# Altium PCB 通用工装板.PcbDoc (part 4 of 10) (continued)
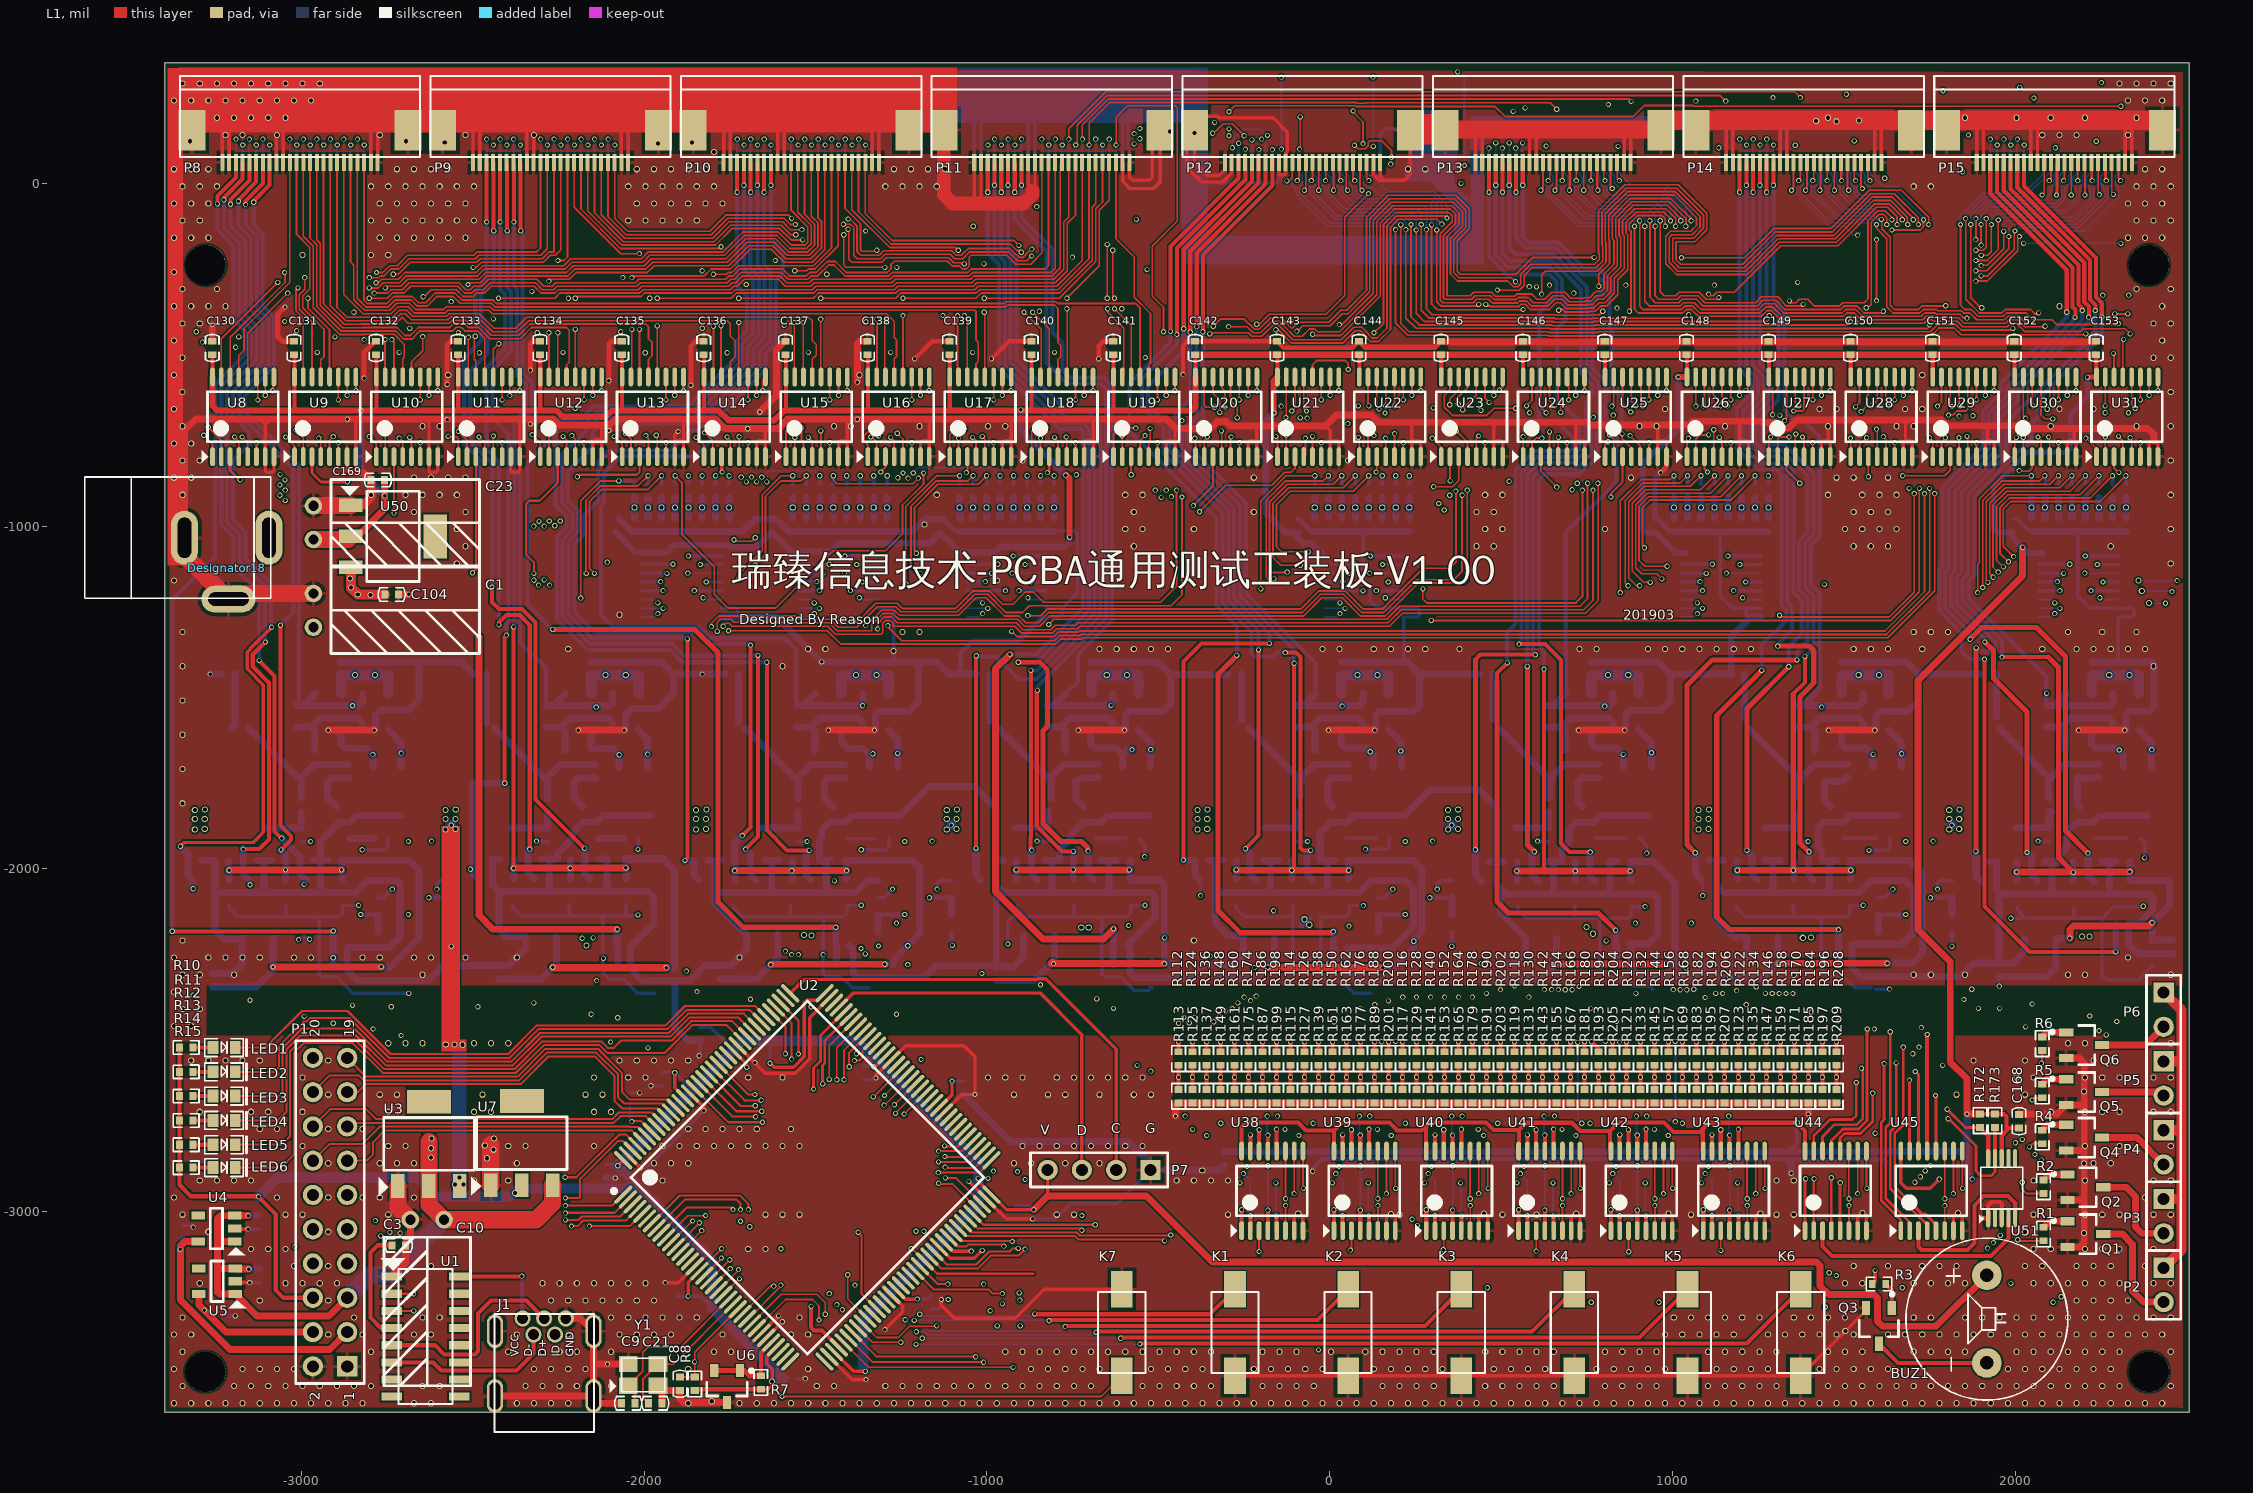
[diagram p0: L1 view]
## Nets (pads, with @x,y where several pads share a name; then routed paths per layer and width w, separated by ;. In a path a pad name is that pad's centre, name@x,y a point inside that pad or via, vN(x,y) a via of type N, cw(c..) or ccw(c..) an arc to the next point about the centre after c; other vN are vias at no path point) (continued)
  L3 w10: v1(-2108,-1105) -2108,-988 -2041,-921 -1799,-921 -1772.78,-894.78 v1(-1772.78,-842)
GPIO7: U2.58 U15.3 | length 3286.5
  L1 w6: v1(-1541,-712) -1541,-748 -1535.32,-753.68 U15.3@-1535.32,-797.27 ; v1(-1221,-3108) -1218.51,-3108 U2.58@-1181.57,-3144.94 -1145.51,-3181 -864,-3181
  L2 w6: v1(-1601,-3108) -1614,-3095 -1614,-942 -1542.81,-870.81 -1542.81,-713.81 v1(-1541,-712)
  L3 w6: v1(-1601,-3108) v1(-1221,-3108)
GPIO8: U2.59 U16.3 | length 2912.9
  L1 w6: v1(-1310,-842) -1296.37,-828.37 U16.3@-1296.37,-797.27 ; U2.59@-1167.65,-3131.02 -1132.67,-3166 -1027.44,-3166 -989.44,-3128 -908,-3128 v1(-889,-3109)
  L2 w6: v1(-1310,-842) -1305.54,-837.54 -1278.46,-837.54 -1275.5,-840.5 -1275.5,-873.65 -1130.18,-1018.97 -1130.18,-1685.18 -1152,-1707 -1152,-1905.21 -1130.18,-1927.03 -1130.18,-2747.82 -997,-2881 v1(-997,-2903) ; v1(-889,-3109) v1(-889,-2906)
  L3 w6: v1(-997,-2903) -994,-2906 v1(-889,-2906)
GPIO9: U2.60 U17.3 | length 2757.4
  L1 w6: U2.60@-1153.73,-3117.1 -1116.83,-3154 -1031,-3154 -993,-3116 -934,-3116 -925,-3107 v1(-909,-3107) ; v1@-1057.41,-842.41 U17.3@-1057.41,-797.27
  L2 w6: v1(-1060,-844) -1060,-887 -1102,-929 -1102,-1001.79 -1119.18,-1018.97 -1119.18,-1703.18 -1141,-1725 -1141,-1895.52 -1119.18,-1917.34 -1119.18,-2743.26 v1(-981,-2881.44) ; v1(-911,-2883) -910.5,-2883.5 -910.5,-3105.5 v1(-909,-3107)
  L3 w6: v1(-981,-2881.44) -912.56,-2881.44 v1(-911,-2883)
GPIO10: U2.63 U18.3 | length 2608.4
  L1 w6: U2.63@-1111.97,-3075.35 -1086.31,-3101 -1060,-3101 -1055,-3096 v1@-956,-3096 ; v1@-818.45,-840.45 U18.3@-818.45,-797.27
  L2 w6: v1(-950.5,-3100.5) -950.5,-2714.5 -790.5,-2554.5 -790.5,-1027.02 -769.98,-1006.5 -769.5,-1006.5 -749,-986 -749,-908.33 -788.65,-868.69 -788.65,-845.35 -796.46,-837.54 -817.54,-837.54 v1(-824,-844)
GPIO11: U2.64 U19.3 | length 2722.8
  L1 w6: U2.64@-1098.05,-3061.43 -1074.48,-3085 v1@-926,-3085 ; U19.3@-579.49,-797.27 -579.49,-850 v1(-579,-850)
  L2 w6: v1(-926,-3087) -926,-3085 -939.5,-3071.5 -939.5,-2719.06 -779.5,-2559.06 -779.5,-1031.58 -765.42,-1017.5 -764.94,-1017.5 -738,-990.56 -738,-851 v1(-739,-850)
  L3 w6: v1(-926,-3087) v1@-926,-3086 ; v1(-739,-850) v1(-579,-850)
GPIO12: U2.65 U20.3 | length 2975.6
  L1 w6: U2.65@-1084.13,-3047.51 -1060.64,-3071 -743.48,-3071 -733.98,-3080.5 -486.5,-3080.5 v1(-482,-3085) ; v1(-398,-940) -340.53,-882.53 U20.3@-340.53,-797.27
  L2 w6: v1(-482,-3085) -480,-3083 -480,-2763 -494,-2749 -494,-2396 -442.5,-2344.5 -442.5,-984.5 v1(-398,-940)
GPIO13: U2.66 U21.3 | length 3164.3
  L1 w5: v1(-380,-958) -303,-881 -169.69,-881 -131.73,-843.04 -113.04,-843.04 -101.57,-831.57 U21.3@-101.57,-797.27
  L1 w6: U2.66@-1070.21,-3033.59 -1043.8,-3060 -738.92,-3060 -729.42,-3069.5 -465.5,-3069.5 v1(-464,-3068)
  L2 w5: v1(-464,-3068) -469.5,-3062.5 -469.5,-2758.65 -483.5,-2744.65 -483.5,-2400.35 -431,-2347.85 -431,-2008 -412,-1989 -412,-1967.79 -432,-1947.79 -432,-1010 v1(-380,-958)
GPIO14: U2.67 U22.3 | length 3846.1
  L1 w5: v1(135,-842) 137.39,-839.61 U22.3@137.39,-797.27
  L1 w6: U2.67@-1056.29,-3019.67 -1026.96,-3049 -728,-3049 v1(-723,-3054)
  L2 w5: v1(-723,-3054) v1(-723,-3011) ; v1(135,-842) 138.96,-838.04 257.96,-838.04 282,-862.08 282,-1150.86 328.63,-1197.49 328.63,-1758 305,-1781.64 305,-1902.85 328.63,-1926.49 328.63,-2074 319.76,-2082.87 319.76,-2571.61 349.76,-2601.61 349.76,-2614.04 325.8,-2638 293,-2638 240,-2691 v1(240,-3022)
  L3 w5: v1(-723,-3011) -364.01,-3011 -348,-3027.01 234.99,-3027.01 v1(240,-3022)
GPIO15: U2.68 U23.3 | length 3740.3
  L1 w5: v1(303,-885) 358,-885 376.35,-866.65 U23.3@376.35,-797.27
  L1 w6: U2.68@-1042.37,-3005.75 -1010.12,-3038 v1(-684,-3038)
  L2 w5: v1(256,-3040) 256,-3003 251.07,-2998.07 251.07,-2699.93 302,-2649 333,-2649 359.76,-2622.24 359.76,-2562.76 355,-2558 355,-2345 338.63,-2328.64 338.63,-1922.35 315,-1898.71 315,-1785.78 338.63,-1762.14 338.63,-1193.35 303,-1157.72 v1(303,-885)
  L3 w5: v1(-684,-3038) -667,-3021 -368.15,-3021 -349.15,-3040 v1(256,-3040)
I2C_SCL: U2.56 U31.3 | length 5986.5
  L1 w6: U2.56@-1209.41,-3172.78 -1155.19,-3227 -995,-3227 -983,-3239 v1(-955,-3239) ; U31.3@2288.02,-797.27 2288.02,-831.02 2300,-843 v1(2302,-843)
  L2 w6: v1(-955,-3269) v1(-955,-3239) ; v1(2134,-3248) 2134,-1754 2296,-1592 2296,-1102 2346,-1052 2346,-911 2302,-867 v1(2302,-843)
  L3 w6: v1(-955,-3269) -939,-3285 -885.85,-3285 -870.35,-3269.5 496.63,-3269.5 518.13,-3248 v1(2134,-3248)
I2C_SDA: U2.57 U30.3 | length 5760.8
  L1 w5: v1(2011,-838) 2013,-840 2038.77,-840 2049.06,-829.7 U30.3@2049.06,-797.27
  L1 w6: U2.57@-1195.49,-3158.86 -1143.35,-3211 v1(-1114,-3211)
  L2 w5: v1(1987,-3209) 1987,-2809.21 1985,-2807.21 1985,-2456 2029,-2412 2029,-1993 2011,-1975 2011,-1073.21 2006,-1068.21 2006,-843 v1(2011,-838)
  L2 w6: v1@-1114,-3255 v1(-1114,-3211)
  L3 w5: v1(-1113,-3256) -1111,-3254 -948.79,-3254 -928.29,-3274.5 -890.2,-3274.5 -874.7,-3259 492.28,-3259 513.78,-3237.5 1958.5,-3237.5 v1(1987,-3209)
I_MA: U45.3 U51.5 | length 516.1
  L1 w12: U45.3@1717.16,-3055.47 1717.16,-3102.16 1727,-3112 1860,-3112 1880.32,-3091.68 1880.32,-2981.32 1907.64,-2954 1978.64,-2954 1999.64,-2975 U51.5@1999.64,-3019.06
I_MA_0: D9.2 U45.13 U112.1 | length 5750.8
  L1 w12: U45.13@1742.75,-2823.19 1742.75,-2483.25 v1(1743,-2483)
  L2 w8: v1(-2709,-2486) v1(-2709.02,-1662)
  L3 w8: 1575.5,-2492 1734,-2492 v1(1743,-2483)
  L3 w12: v1(-2709,-2486) -2705,-2482 -459.2,-2482 -455.7,-2485.5 -396.3,-2485.5 -394.8,-2484 1558.84,-2484 1566.84,-2492 1575.5,-2492
  L4 w20: U112.1@-2746.43,-1594.84 -2709.02,-1632.24 v1(-2709.02,-1662) D9.2@-2709.02,-1703.11
I_MA_1: D10.2 U45.14 U113.1 | length 4946.1
  L1 w8: v1(1708,-2591) 1717.16,-2600.16 U45.14@1717.16,-2823.19
  L2 w8: v1(-1990,-1665) -1990,-2521 v1(-1989,-2522)
  L3 w8: v1(-1989,-2522) -503,-2522 -433.68,-2591.32 -397,-2591.32 -396.68,-2591 1521,-2591 1529,-2599 1700,-2599 v1(1708,-2591)
  L4 w20: U113.1@-2016.95,-1594.84 -1990.39,-1621.41 v1@-1990.39,-1665 ; D10.2@-1990.39,-1703.71 v1@-1990.39,-1665 ; v1(-1990,-1665) v1@-1990.39,-1665
I_MA_2: D11.2 U45.15 U114.1 | length 4202.9
  L1 w8: v1(1691,-2616) 1691.57,-2616.57 U45.15@1691.57,-2823.19
  L2 w8: v1(-1260.39,-1663) -1214.5,-1708.89 -1214.5,-2533.5 v1(-1192,-2556)
  L3 w8: v1(-1192,-2556) -514.28,-2556 -491.33,-2578.95 -491.33,-2623.9 -475.23,-2640 1566,-2640 1590,-2616 v1(1691,-2616)
  L4 w20: U114.1@-1287.48,-1594.84 -1260.39,-1621.94 v1(-1260.39,-1663) D11.2@-1260.39,-1703.71
I_MA_3: D12.2 U45.12 U115.1 | length 3591.4
  L1 w8: v1(1767,-2661) 1768.34,-2662.34 U45.12@1768.34,-2823.19
  L2 w8: v1(-522.39,-1652) -522.39,-2589.61 v1(-522,-2590)
  L3 w8: v1(-522,-2590) -522,-2630 -486,-2666 1457,-2666 1482,-2691 1737,-2691 v1(1767,-2661)
  L4 w20: U115.1@-559.79,-1594.44 -522.39,-1631.84 v1(-522.39,-1652) D12.2@-522.39,-1702.71
I_MA_4: D13.2 U45.1 U116.1 | length 2970
  L1 w8: v1(1617,-2568) 1617,-2729 1618,-2730 1609,-2739 1609,-2968 1665.98,-3024.98 U45.1@1665.98,-3055.47
  L2 w8: v1(192,-2503) 192,-2358 203.82,-2346.18 203.82,-1659.18 v1(207,-1656)
  L3 w8: v1(192,-2503) 192,-2543 201,-2552 1564,-2552 1581,-2569 1616,-2569 v1(1617,-2568)
  L4 w20: U116.1@171.21,-1594.44 208.61,-1631.84 v1@208.61,-1656 ; v1(207,-1656) v1@208.61,-1656 ; D13.2@208.61,-1702.71 v1@208.61,-1656
I_MA_5: D14.2 U45.5 U117.1 | length 2452.8
  L1 w8: v1(1673,-2520) 1673,-2747 1648,-2772 1648,-2927 1726.91,-3005.91 1736.33,-3005.91 1768.34,-3037.92 U45.5@1768.34,-3055.47
  L2 w8: v1(845.55,-2505.09) 845,-2504.54 845,-2500.69 941.5,-2404.19 941.5,-1663.89 v1(938.61,-1661)
  L3 w8: v1(845.55,-2505.09) 845.55,-2511.55 860,-2526 1564,-2526 1570,-2520 v1(1673,-2520)
  L4 w20: U117.1@901.21,-1594.44 938.61,-1631.84 v1(938.61,-1661) D14.2@938.61,-1702.71
I_MA_6: D15.2 U45.2 U118.1 | length 1563.5
  L1 w8: v1(1635,-2475) 1635,-2741 1622,-2754 1622,-2961 1691.57,-3030.57 U45.2@1691.57,-3055.47
  L2 w8: v1(1635,-2475) 1635,-2469 1663.89,-2440.11 1663.89,-1668.11 v1(1668,-1664)
  L4 w20: U118.1@1630.21,-1594.44 1667.61,-1631.84 v1@1667.61,-1664 ; D15.2@1667.61,-1702.71 v1@1667.61,-1664 ; v1(1668,-1664) v1@1667.61,-1664
I_MA_7: D16.2 U45.4 U119.1 | length 2200.9
  L1 w8: v1(1652,-2566) 1652.31,-2566.31 1652.31,-2749.31 1635,-2766.62 1635,-2932.38 1721.53,-3018.91 1723.74,-3018.91 1742.75,-3037.92 U45.4@1742.75,-3055.47
  L2 w8: v1(2265,-2484) 2265,-2047 2398,-1914 v1(2398,-1652)
  L3 w8: v1(1652,-2566) 1667,-2566 1671.5,-2561.5 1708.5,-2561.5 1741,-2529 2024.38,-2529 2063.38,-2490 2259,-2490 v1(2265,-2484)
  L4 w20: U119.1@2360.21,-1594.44 2397.61,-1631.84 v1@2397.61,-1652 ; D16.2@2397.61,-1702.71 v1@2397.61,-1652 ; v1(2398,-1652) v1@2397.61,-1652
I_UA: U44.3 U51.4 | length 679.9
  L1 w12: U44.3@1437.63,-3055.47 1437.63,-3101.63 1465,-3129 1929,-3129 1979.95,-3078.05 U51.4@1979.95,-3019.06
I_UA_0: D1.2 U44.13 U104.1 | length 5771.3
  L1 w8: U44.13@1463.22,-2823.19 1463.22,-2792.39 1496.62,-2759 1543,-2759 1567.5,-2734.5 1567.5,-2467.5 v1(1568,-2467)
  L2 w8: v1@-2791.7,-2466.3 v1(-2791.7,-1666.3)
  L2 w12: v1@-2791.7,-2466.3 v1(-2791,-2467)
  L3 w8: v1(-2791,-2467) -450.16,-2467
  L3 w12: -450.16,-2467 -448.66,-2468.5 -433.34,-2468.5 -431.84,-2467 -418.16,-2467 -417.66,-2467.5 -402.34,-2467.5 -401.84,-2467 v1(1568,-2467)
  L4 w20: U104.1@-2884.22,-1594.84 -2884.22,-1635.78 -2872,-1648 -2810,-1648 v1(-2791.7,-1666.3) D1.2@-2791.7,-1703.11
I_UA_1: D2.2 U44.14 U105.1 | length 5038.4
  L1 w8: U44.14@1437.63,-2823.19 1437.63,-2781.37 1473,-2746 1537.62,-2746 1554.5,-2729.12 1554.5,-2584 1552,-2581.5 v1(1551,-2581.5)
  L2 w8: v1(-2098,-2505) -2098,-1691.83 v1(-2073.06,-1666.9)
  L3 w8: v1(-2098,-2505) -501.62,-2505 -428.29,-2578.32 -402.38,-2578.32 -402.06,-2578 1547.5,-2578 v1(1551,-2581.5)
  L4 w20: U105.1@-2154.75,-1594.84 -2154.75,-1647.21 -2153.36,-1648.6 -2091.36,-1648.6 v1(-2073.06,-1666.9) D2.2@-2073.06,-1703.71
I_UA_2: D3.2 U44.15 U106.1 | length 4349.4
  L1 w8: U44.15@1412.04,-2823.19 1412.04,-2777.96 1459,-2731 1524,-2731 1536,-2719 v1(1536,-2623)
  L2 w8: v1(-1381,-2539) -1379,-2541 -1369,-2541 -1333,-2505 v1(-1333,-1664)
  L3 w8: v1(-1381,-2539) -512.9,-2539 -478.33,-2573.56 -478.33,-2607 -458.33,-2627 1532,-2627 v1(1536,-2623)
  L4 w20: U106.1@-1425.28,-1594.84 -1425.28,-1629.32 -1406,-1648.6 -1361.36,-1648.6 -1343.06,-1666.9 ; D3.2@-1343.06,-1703.71 -1343.06,-1666.9 ; v1(-1333,-1664) -1335.9,-1666.9 -1343.06,-1666.9
I_UA_3: D4.2 U44.12 U107.1 | length 3585.6
  L1 w8: U44.12@1488.81,-2823.19 1488.81,-2785.19 1502,-2772 1548.38,-2772 1584,-2736.38 v1(1584,-2654)
  L2 w8: v1(-577,-1652) -577,-1976 -562,-1991 v1(-562,-2573)
  L3 w8: v1(-562,-2573) -515.67,-2573 -504.33,-2584.33 -504.33,-2629.28 -480.62,-2653 1583,-2653 v1(1584,-2654)
  L4 w20: U107.1@-697.58,-1594.44 -697.58,-1635.38 -685.36,-1647.6 -623.36,-1647.6 -605.06,-1665.9 ; D4.2@-605.06,-1702.71 -605.06,-1665.9 ; v1(-577,-1652) -591.17,-1652 -605.06,-1665.9
I_UA_4: D5.2 U44.1 U108.1 | length 3646.7
  L1 w8: U44.1@1386.45,-3055.47 1386.45,-2905.55 v1(1388,-2904)
  L2 w8: v1(118.02,-1657.98) 125,-1664.96 125,-2347 150,-2372 v1@150,-2503 ; 151,-2560 150,-2559 v1@150,-2503 ; v1(151,-2504) v1@150,-2503 ; v1(1753,-2865) 1750.5,-2862.5 1750.5,-2650 1788,-2612.5 v1(1788,-2573)
  L3 w8: v1(151,-2504) 151,-2552 164,-2565 1558,-2565 1579,-2586 1689.67,-2586 1701.17,-2574.5 1786.5,-2574.5 v1(1788,-2573) ; v1(1388,-2904) 1427.5,-2864.5 1752.5,-2864.5 v1(1753,-2865)
  L4 w20: U108.1@33.42,-1594.44 33.42,-1635.38 45.64,-1647.6 107.64,-1647.6 v1(118.02,-1657.98) 125.94,-1665.9 D5.2@125.94,-1702.71
I_UA_5: D6.2 U44.5 U109.1 | length 2721.8
  L1 w8: U44.5@1488.81,-3055.47 1488.81,-2915.19 v1(1489,-2915)
  L2 w8: v1(804,-2503) 804,-2500.33 855.94,-2448.4 v1(855.94,-1665.9) ; v1(1701,-2539) 1727.31,-2565.31 1727.31,-2597.31 1707.5,-2617.12 1707.5,-2866 1706.5,-2867 1706.5,-2913.5 v1(1707,-2914)
  L3 w8: v1(804,-2503) 804,-2528 815,-2539 v1(1701,-2539) ; v1(1489,-2915) 1706,-2915 v1(1707,-2914)
  L4 w20: U109.1@763.42,-1594.44 763.42,-1635.38 775.64,-1647.6 837.64,-1647.6 v1(855.94,-1665.9) D6.2@855.94,-1702.71
I_UA_6: D7.2 U44.2 U110.1 | length 2057.5
  L1 w8: U44.2@1412.04,-3055.47 1412.04,-2904.96 v1(1413,-2904)
  L2 w8: v1(1584.94,-1665.9) 1589.5,-1670.46 1589.5,-2467 v1(1589,-2467) ; v1(1726,-2463) 1726,-2503 1760,-2537 1760,-2602 1736.5,-2625.5 1736.5,-2880.5 v1(1737,-2881)
  L3 w8: v1(1413,-2904) 1436,-2881 v1(1737,-2881) ; v1(1589,-2467) 1599,-2457 1720,-2457 v1(1726,-2463)
  L4 w20: U110.1@1492.42,-1594.44 1492.42,-1635.38 1504.64,-1647.6 1566.64,-1647.6 v1(1584.94,-1665.9) D7.2@1584.94,-1702.71
I_UA_7: D8.2 U44.4 U111.1 | length 2401.2
  L1 w8: v1(1463,-2901) 1463.22,-2901.22 U44.4@1463.22,-3055.47
  L2 w8: v1(1719,-2520) 1744,-2545 1744,-2599 1720.5,-2622.5 1720.5,-2895.5 v1(1723,-2898) ; v1@2244,-2478 v1(2244,-2472) 2246,-2470 2246,-2040 2303,-1983 v1(2303,-1653)
  L3 w8: v1(1463,-2901) 1466.5,-2897.5 1722.5,-2897.5 v1(1723,-2898) ; v1(1719,-2520) 1723,-2516 2019,-2516 2063,-2472 v1(2244,-2472)
  L4 w20: U111.1@2222.42,-1594.44 2222.42,-1635.38 2234.64,-1647.6 2296.64,-1647.6 ; v1(2303,-1653) 2297.6,-1647.6 2296.64,-1647.6 ; D8.2@2314.94,-1702.71 2314.94,-1665.9 2296.64,-1647.6
KEY0: K1.2 U2.87 | length 1643.1
  L1 w5: v1(-1242,-2715) -1241.59,-2715 U2.87@-1181.57,-2654.98
  L1 w12: v1@-861,-3299 -348.88,-3299 K1.2@-276.61,-3226.73
  L2 w5: v1(-1242,-2715) -1242,-3253 v1(-1196,-3299)
  L4 w5: v1(-1196,-3299) -1190,-3305 -868,-3305 v1(-861,-3298)
KEY1: K2.2 U2.88 | length 2033.2
  L1 w5: v1(-1267,-2713) -1267,-2712.57 U2.88@-1195.49,-2641.06
  L1 w12: v1@-819,-3316 -35.82,-3316 K2.2@53.44,-3226.73
  L2 w5: v1(-1267,-2713) -1267,-3262 v1(-1212,-3317)
  L4 w5: v1(-1212,-3317) -818,-3317 v1(-819,-3318)
KEY2: K3.2 U2.89 | length 2423.8
  L1 w5: v1(-1270,-2688) -1270,-2687.73 U2.89@-1209.41,-2627.14
  L1 w12: v1@-772,-3333 277.23,-3333 K3.2@383.5,-3226.73
  L2 w5: v1(-1270,-2688) -1285,-2703 -1285,-3269 v1(-1239,-3315)
  L4 w5: v1(-1239,-3315) -1219,-3335 -1183,-3335 -1170,-3348 -785,-3348 v1(-772,-3335)
KEY3: K4.2 U2.90 | length 2798.1
  L1 w5: v1(-1300,-2689) -1299.1,-2689 U2.90@-1223.32,-2613.22
  L1 w12: v1@-682,-3350 590.28,-3350 K4.2@713.55,-3226.73
  L2 w5: v1(-1300,-2689) -1300,-3278 -1228,-3350 v1(-1206,-3350)
  L4 w5: v1(-1206,-3350) -1183,-3350 -1174,-3359 -689,-3359 v1(-682,-3352)
KEY4: K5.2 U2.91 | length 3166.7
  L1 w5: v1(-1299,-2661) -1298.94,-2661 U2.91@-1237.24,-2599.3
  L1 w12: v1@-610,-3367 903.33,-3367 K5.2@1043.6,-3226.73
  L2 w5: v1(-1299,-2661) -1316,-2678 -1316,-3278 -1225,-3369 v1(-1189,-3369)
  L4 w5: v1(-1189,-3369) v1(-610,-3369)
KEY5: K6.2 U2.92 | length 3543.2
  L1 w5: v1(-1332,-2665) -1330.78,-2665 U2.92@-1251.16,-2585.38
  L1 w12: v1@-554,-3384 1216.39,-3384 K6.2@1373.65,-3226.73
  L2 w5: v1(-1332,-2665) -1332,-3278 -1223,-3387 v1(-1207,-3387)
  L4 w5: v1(-1207,-3387) -555,-3387 v1(-554,-3386)
LED0: LED1.2 U2.114 | length 1717
  L1 w6: LED1.2@-3193.26,-2521.06 -3104.98,-2521.06 -2998.42,-2414.5 -2865.5,-2414.5 -2740,-2540 -2396.68,-2540 -2313.18,-2456.5 -1937.5,-2456.5 -1881,-2400 -1675.96,-2400 U2.114@-1643.69,-2432.27
LED1: LED2.2 U2.115 | length 1757.5
  L1 w6: LED2.2@-3193.26,-2591.93 -3078.93,-2591.93 -3066,-2579 -3066,-2517.77 -2993.73,-2445.5 -2985.58,-2445.5 -2974.58,-2434.5 -2861.06,-2434.5 -2744.56,-2551 -2392.12,-2551 -2308.62,-2467.5 -1932.94,-2467.5 -1876.44,-2411 -1692.8,-2411 U2.115@-1657.61,-2446.19
LED2: LED3.2 U2.116 | length 1792
  L1 w6: LED3.2@-3193.26,-2662.8 -3067.8,-2662.8 -3055,-2650 -3055,-2522.33 -2998.17,-2465.5 -2845.61,-2465.5 -2749.11,-2562 -2387.56,-2562 -2304.06,-2478.5 -1928.39,-2478.5 -1871.89,-2422 -1709.64,-2422 U2.116@-1671.53,-2460.11
LED3: LED4.2 U2.117 | length 1828.1
  L1 w6: LED4.2@-3193.26,-2733.66 -3068.66,-2733.66 -3044,-2709 -3044,-2526.89 -3003.11,-2486 -2840.67,-2486 -2753.67,-2573 -2383.01,-2573 -2299.51,-2489.5 -1923.83,-2489.5 -1867.33,-2433 -1726.48,-2433 U2.117@-1685.45,-2474.03
LED4: LED5.2 U2.118 | length 1894.1
  L1 w6: LED5.2@-3193.26,-2804.53 -3058.53,-2804.53 -3033,-2779 -3033,-2531.44 -2998.56,-2497 -2845.23,-2497 -2758.23,-2584 -2378.45,-2584 -2297.45,-2503 -2125.66,-2503 -2106.83,-2521.83 -2088.33,-2521.83 -2067,-2500.5 -1919.27,-2500.5 -1862.77,-2444 -1743.31,-2444 U2.118@-1699.37,-2487.95
LED5: LED6.2 U2.119 | length 1938
  L1 w6: LED6.2@-3193.26,-2871.46 -3059.46,-2871.46 -3022,-2834 -3022,-2536 -2994,-2508 -2849.78,-2508 -2762.78,-2595 -2373.89,-2595 -2292.89,-2514 -2130.22,-2514 -2106.72,-2537.5 -1940.72,-2537.5 -1858.22,-2455 -1760.15,-2455 U2.119@-1713.29,-2501.87
M0_ADC1: P16.17 R16.1 | length 2561
  L1 w5: v1@-2184.9,-1209.9 -2184.9,-926 -2126.94,-868.04 v1(-2074.18,-868.04)
  L2 w5: v1(-3092.22,112) -3092.22,79.93 -3072,59.71 -3072,-270.79 -3084,-282.79 -3084,-295.21 -3072,-307.21 -3072,-409.14 -3036,-445.14 -3036,-695.86 -3061,-720.86 -3061,-746.21 -3048,-759.21 -3048,-835 v1(-3062,-849)
  L3 w5: v1(-3062,-849) -2925.29,-849 -2562.29,-1212 v1@-2187,-1212
  L4 w5: P16.17@-3092.88,60.67 -3092.88,111.34 v1(-3092.22,112)
  L4 w12: v1(-2074.18,-868.04) -2036.26,-868.04 R16.1@-2027.96,-876.34
  other v1: -2185,-1210
M0_ADC2: P16.18 R32.1 | length 3167.7
  L1 w5: v1@-1723.62,-1154 -1723.62,-1139.41 -1656,-1071.79 -1656,-909.01 -1600.03,-853.04 v1(-1566.68,-853.04)
  L2 w5: v1(-3112.22,129) -3112.22,88 -3102.22,78 -3102.22,75.78 -3082,55.57 -3082,-266.64 -3094,-278.64 -3094,-299.36 -3082,-311.36 -3082,-413.28 -3046,-449.28 -3046,-691.72 -3071,-716.72 -3071,-750.36 -3059.68,-761.68 -3059.68,-825.46 -3077,-842.79 -3077,-855.21 -3068.21,-864 -3049,-864 v1(-3048,-865)
  L3 w5: v1(-3048,-865) -3015.43,-865 -3011.43,-861 -2927.43,-861 -2563.43,-1225 -2121.57,-1225 -1926.57,-1030 -1839.43,-1030 -1724,-1145.43 v1(-1724,-1154)
  L4 w5: P16.18@-3112.56,60.67 -3112.56,128.65 v1(-3112.22,129)
  L4 w12: R32.1@-1566.74,-876.34 v1(-1566.68,-853.04)
M0_ADC3: P16.19 R48.1 | length 3842.7
  L1 w5: v1@-1236.62,-1169 -1236.62,-942.62 -1147.04,-853.04 v1(-1079.68,-853.04)
  L2 w5: v1(-3131.59,112) -3131.59,93.23 -3112.22,73.86 -3112.22,71.64 -3092,51.43 -3092,-262.5 -3104,-274.5 -3104,-303.5 -3092,-315.5 -3092,-417.43 -3056.14,-453.28 -3056.14,-687.72 -3081,-712.57 -3081,-754.5 -3069.68,-765.82 -3069.68,-821.32 -3087,-838.64 -3087,-873 -3080,-880 v1(-3063,-880)
  L3 w5: v1(-3063,-880) -3016.28,-880 -3007.28,-871 -2931.57,-871 -2567.57,-1235 -2117.43,-1235 -1922.43,-1040 -1843.57,-1040 -1766,-1117.57 -1766,-1169 -1546.5,-1169 -1546.5,-1103.07 -1505.43,-1062 -1365.57,-1062 -1258.57,-1169 v1(-1237,-1169)
  L4 w5: P16.19@-3132.25,60.67 -3132.25,111.34 v1(-3131.59,112)
  L4 w12: R48.1@-1079.68,-876.34 v1(-1079.68,-853.04)
M0_ADC4: P16.20 R64.1 | length 5065.8
  L1 w5: v1(-201,-1183) -201,-926.45 ; -200.55,-926 -127.59,-853.04 v1(-43.61,-853.04)
  L2 w5: v1(-3151.59,129) -3151.59,99.09 -3122.22,69.72 -3122.22,67.5 -3102,47.28 -3102,-258.36 -3114,-270.36 -3114,-307.64 -3102,-319.64 -3102,-421.57 -3066.14,-457.43 -3066.14,-683.57 -3091,-708.43 -3091,-758.64 -3079.68,-769.96 -3079.68,-817.18 -3097,-834.5 -3097,-890 -3092,-895 v1(-3047,-895)
  L3 w5: v1(-3047,-895) -3017.14,-895 -3003.14,-881 -2935.72,-881 -2571.72,-1245 -2113.28,-1245 -1918.28,-1050 -1847.71,-1050 -1776,-1121.71 -1776,-1176.72 -1773.72,-1179 -1541.28,-1179 -1536.5,-1174.22 -1536.5,-1107.22 -1501.28,-1072 -1369.72,-1072 -1257.72,-1184 -1095.28,-1184 -983.28,-1072 -867.72,-1072 -864,-1075.72 -864,-1076.49 -757.49,-1183 v1(-201,-1183)
  L4 w5: P16.20@-3151.93,60.67 -3151.93,128.65 v1(-3151.59,129)
  L4 w12: R64.1@-43.67,-876.34 v1(-43.61,-853.04)
M0_ADC5: P16.21 R80.1 | length 6290.2
  L1 w5: v1(847.28,-1194) 847.28,-926 909.28,-864 993.26,-864 v1(1004.22,-853.04)
  L2 w5: v1(-3170.96,112) -3170.96,104.31 -3132.22,65.57 -3132.22,63.36 -3112,43.14 -3112,-254.22 -3124,-266.22 -3124,-311.78 -3112,-323.78 -3112,-425.71 -3076.14,-461.57 -3076.14,-557.14 -3143,-624 -3143,-639 -3101,-681 -3101,-762.78 -3089.68,-774.1 -3089.68,-813.04 -3107,-830.36 -3107,-894.14 -3091.14,-910 v1(-3063,-910)
  L3 w5: v1(-3063,-910) -3018,-910 -2999,-891 -2939.86,-891 -2575.86,-1255 -2106.14,-1255 -1911.14,-1060 -1851.85,-1060 -1786,-1125.85 -1786,-1180.86 -1777.86,-1189 -1537.14,-1189 -1526.5,-1178.36 -1526.5,-1111.36 -1499.14,-1084 -1439.31,-1084 -1421.31,-1102 -1408.88,-1102 -1390.88,-1084 -1371.86,-1084 -1261.86,-1194 -1091.14,-1194 -982.14,-1085 -946.97,-1085 -929.97,-1102 -917.54,-1102 -900.54,-1085 -869.63,-1085 -761.63,-1193 -212.21,-1193 -207.21,-1198 -194.79,-1198 -185.79,-1189 -41.14,-1189 87.86,-1060 203.14,-1060 332.14,-1189 842.28,-1189 v1(847.28,-1194)
  L4 w5: P16.21@-3171.62,60.67 -3171.62,111.34 v1(-3170.96,112)
  L4 w12: R80.1@1004.16,-876.34 v1(1004.22,-853.04)
M0_ADC6: P16.22 R96.1 | length 7501
  L1 w5: v1(1890,-1194) 1890,-1111 1895,-1106 1895,-921 1962.96,-853.04 v1(2046.94,-853.04)
  L2 w5: v1(-3190.96,129) -3190.96,107.96 -3122,39 -3122,-250.08 -3134,-262.08 -3134,-315.92 -3122,-327.92 -3122,-429.85 -3086.14,-465.71 -3086.14,-553 -3153,-619.86 -3153,-643.14 -3111,-685.14 -3111,-766.92 -3099.68,-778.25 -3099.68,-808.9 -3117,-826.22 -3117,-898.28 -3090.28,-925 v1(-3047,-925)
  L3 w5: v1(-3047,-925) -3018.86,-925 -2994.86,-901 -2944,-901 -2580,-1265 -2102,-1265 -1907,-1070 -1855.99,-1070 -1796,-1129.99 -1796,-1185 -1782,-1199 -1533,-1199 -1516.5,-1182.5 -1516.5,-1115.5 -1495,-1094 -1443.45,-1094 -1425.45,-1112 -1404.74,-1112 -1386.74,-1094 -1376,-1094 -1266,-1204 -1087,-1204 -978,-1095 -951.11,-1095 -934.11,-1112 -913.4,-1112 -896.4,-1095 -876,-1095 -768,-1203 -216.36,-1203 -211.36,-1208 -190.64,-1208 -181.64,-1199 -37,-1199 88,-1074 110.55,-1074 112.55,-1072 201,-1072 328,-1199 831.07,-1199 841.07,-1209 992,-1209 1131,-1070 1226,-1070 1311,-1155 1851,-1155 v1(1890,-1194)
  L4 w5: P16.22@-3191.3,60.67 -3191.3,128.65 v1(-3190.96,129)
  L4 w12: R96.1@2046.94,-876.34 v1(2046.94,-853.04)
M0_FADC1: R16.2 R17.1 U32.13 | length 363.1
  L2 w10: v2(-2028,-946) -1952,-1022 v1(-1952,-1162)
  L4 w10: U32.13@-2006.27,-1162.76 -1952.76,-1162.76 v1(-1952,-1162)
  L4 w20: R16.2@-2027.96,-915.71 R17.1@-2027.92,-976.73 R17.1@-2027.92,-976.73
M0_FADC2: R32.2 R33.1 U33.13 | length 362
  L2 w10: v2@-1572.09,-946 -1496.09,-1022 v1(-1496.09,-1162)
  L4 w10: U33.13@-1550.36,-1162.76 v1@-1496.85,-1162.76
  L4 w20: R33.1@-1566.74,-976.73 R33.1@-1566.74,-976.73 R32.2@-1566.74,-915.71
  other v2: -1566.78,-946
M0_FADC3: R48.2 R49.1 U34.13 | length 362
  L2 w10: v2@-1080.76,-946 -1004.76,-1022 v1(-1004.76,-1162)
  L4 w10: U34.13@-1059.02,-1162.76 v1@-1005.51,-1162.76
  L4 w20: R49.1@-1079.8,-976.69 R48.2@-1079.8,-915.71 ; R49.1@-1075.75,-976.73 R49.1@-1075.8,-976.69
  other v2: -1079.83,-946
M0_FADC4: R64.2 R65.1 U35.13 | length 362
  L2 w10: v2@-38.24,-946 37.76,-1022 v1(37.76,-1162)
  L4 w10: U35.13@-16.5,-1162.76 v1@37.01,-1162.76
  L4 w20: R64.2@-43.67,-915.71 R65.1@-43.67,-976.73 R65.1@-43.67,-976.73
  other v2: -43.71,-946
M0_FADC5: R80.2 R81.1 U36.13 | length 362
  L2 w10: v2@1004.28,-946 1080.28,-1022 v1(1080.28,-1162)
  L4 w10: U36.13@1026.02,-1162.76 v1@1079.53,-1162.76
  L4 w20: R81.1@1004.16,-976.69 R80.2@1004.16,-915.71 ; R81.1@1005.59,-976.97 R81.1@1005.63,-977.02
  other v2: 1004.12,-946
M0_FADC6: R96.2 R97.1 U37.13 | length 362
  L2 w10: v2@2046.8,-946 2122.8,-1022 v1(2122.8,-1162)
  L4 w10: U37.13@2068.54,-1162.76 v1@2122.05,-1162.76
  L4 w20: R96.2@2046.88,-915.71 2046.88,-976.69 R97.1@2046.92,-976.73
  other v2: 2046.84,-946
M0_GPIO0: P8.11 U8.13 | length 687.2
  L1 w5: U8.13@-3182.45,-564.98 -3182.45,-502 -3167.72,-487.27 -3167.72,-423.28 -3033.83,-289.39 P8.11@-3033.83,60.67
M0_GPIO1: P8.12 U9.13 | length 679.8
  L1 w5: P8.12@-3014.14,60.67 -3014.14,-148.37 -2975.4,-187.11 -2975.4,-308.19 -2996,-328.79 -2996,-363.14 -2934,-425.14 -2934,-505.51 -2943.49,-515 U9.13@-2943.49,-564.98
M0_GPIO2: P8.13 U10.13 | length 843
  L1 w5: P8.13@-2994.46,60.67 -2994.46,-153.91 -2965.4,-182.97 -2965.4,-363.36 -2887.76,-441 -2815.08,-441 -2814.49,-440.42 -2729.58,-440.42 -2700,-470 -2700,-507.47 -2704.53,-512 U10.13@-2704.53,-564.98
M0_GPIO3: P8.14 U11.13 | length 1098.9
  L1 w5: P8.14@-2974.77,60.67 -2974.77,-159.46 -2955.4,-178.83 -2955.4,-359.22 -2883.62,-431 -2819.22,-431 -2818.64,-430.42 -2725.44,-430.42 -2701.93,-453.93 -2675.93,-453.93 -2672,-450 -2672,-448.07 -2654.35,-430.42 -2558.63,-430.42 -2548.21,-420 -2533.42,-420 -2523,-430.42 -2487.15,-430.42 -2465.57,-452 U11.13@-2465.57,-564.98
M0_GPIO4: P8.15 U12.13 | length 1372.1
  L1 w5: P8.15@-2955.09,60.67 -2955.09,-165 -2945.4,-174.69 -2945.4,-355.08 -2879.48,-421 -2823.36,-421 -2822.78,-420.42 -2721.3,-420.42 -2697.79,-443.93 -2682,-443.93 -2658.49,-420.42 -2566.77,-420.42 -2556.36,-410 -2523.64,-410 -2513.23,-420.42 -2483.01,-420.42 -2450.43,-453 -2361.58,-453 -2329,-420.42 -2226.61,-420.42 -2219,-428.03 -2219,-522.39 -2226.61,-530 U12.13@-2226.61,-564.98
M0_GPIO5: P8.16 U13.13 | length 1593.3
  L1 w5: P8.16@-2935.4,60.67 -2935.4,-350.94 -2875.34,-411 -2827.5,-411 -2826.92,-410.42 -2726.07,-410.42 -2706.33,-390.68 -2689,-408 -2568.5,-408 -2560.5,-400 -2519.5,-400 -2509.09,-410.42 -2478.87,-410.42 -2446.28,-443 -2365.72,-443 -2333.14,-410.42 -1995.48,-410.42 -1987.65,-418.24 -1987.65,-453.35 -1977,-464 -1977,-502.35 -1987.65,-513 U13.13@-1987.65,-564.98
M0_GPIO6: P8.17 U14.13 | length 1825.6
  L1 w5: P8.17@-2915.72,60.67 -2915.72,-356.48 -2871.2,-401 -2831.64,-401 -2831.06,-400.42 -2730.21,-400.42 -2709.79,-380 -2697,-380 -2679,-398 -2572.64,-398 -2564.64,-390 -2515.36,-390 -2504.94,-400.42 -2475.56,-400.42 ; -2475.14,-400 -2475.56,-400.42 ; U14.13@-1748.69,-564.98 -1748.69,-520 -1734,-505.31 -1734,-460 -1748.69,-445.31 -1748.69,-409.17 -1757.45,-400.42 -2337.28,-400.42 -2369.87,-433 -2442.14,-433 -2474.72,-400.42 -2475.56,-400.42
M0_GPIO7: P8.18 U15.13 | length 2049.7
  L1 w5: P8.18@-2896.03,60.67 -2896.03,-362.02 -2867.05,-391 -2835.79,-391 -2835.2,-390.42 -2734.35,-390.42 -2713.93,-370 -2692.86,-370 -2674.86,-388 -2576.78,-388 -2568.78,-380 -2481,-380 -2438,-423 -2375,-423 -2342.42,-390.42 -1520.58,-390.42 -1509.73,-401.27 -1509.73,-458.27 -1498,-470 -1498,-501.27 -1509.73,-513 U15.13@-1509.73,-564.98
M0_GPIO8: P8.19 U16.13 | length 2214.4
  L1 w5: P8.19@-2876.35,60.67 -2876.35,-324.29 -2820.22,-380.42 -2738.49,-380.42 -2718.08,-360 -2688.72,-360 -2670.72,-378 -2580.92,-378 -2572.92,-370 -2454,-370 -2443.58,-380.42 -1293.2,-380.42 -1270.78,-402.84 -1270.78,-449.22 -1264,-456 -1264,-505.22 -1270.78,-512 U16.13@-1270.78,-564.98
M0_GPIO9: P8.20 U17.13 | length 2453.4
  L1 w5: P8.20@-2856.66,60.67 -2856.66,-229 -2846.98,-238.69 -2846.98,-339.52 -2816.08,-370.42 -2742.64,-370.42 -2722.22,-350 -2684.57,-350 -2666.57,-368 -2629.5,-368 -2585.07,-368 -2577.07,-360 -2449.86,-360 -2439.44,-370.42 -1035.48,-370.42 -1031.82,-374.08 -1031.82,-457.18 -1025.5,-463.5 -1025.5,-519.68 -1031.82,-526 U17.13@-1031.82,-564.98
M0_GPIO10: P8.21 U18.13 | length 2703.4
  L1 w5: P8.21@-2836.98,60.67 -2836.98,-335.38 -2811.94,-360.42 -2746.78,-360.42 -2726.36,-340 -2680.43,-340 -2662.43,-358 -2633.64,-358 -2605.64,-330 -2556.78,-330 -2536.78,-350 -2445.72,-350 -2435.3,-360.42 -944.86,-360.42 -939.44,-355 -803.14,-355 -792.86,-365.29 -792.86,-465.14 -784.93,-473.07 -784.93,-506.07 -792.86,-514 U18.13@-792.86,-564.98